# Allegro board BRD-05058-03_A1.brd (continued)
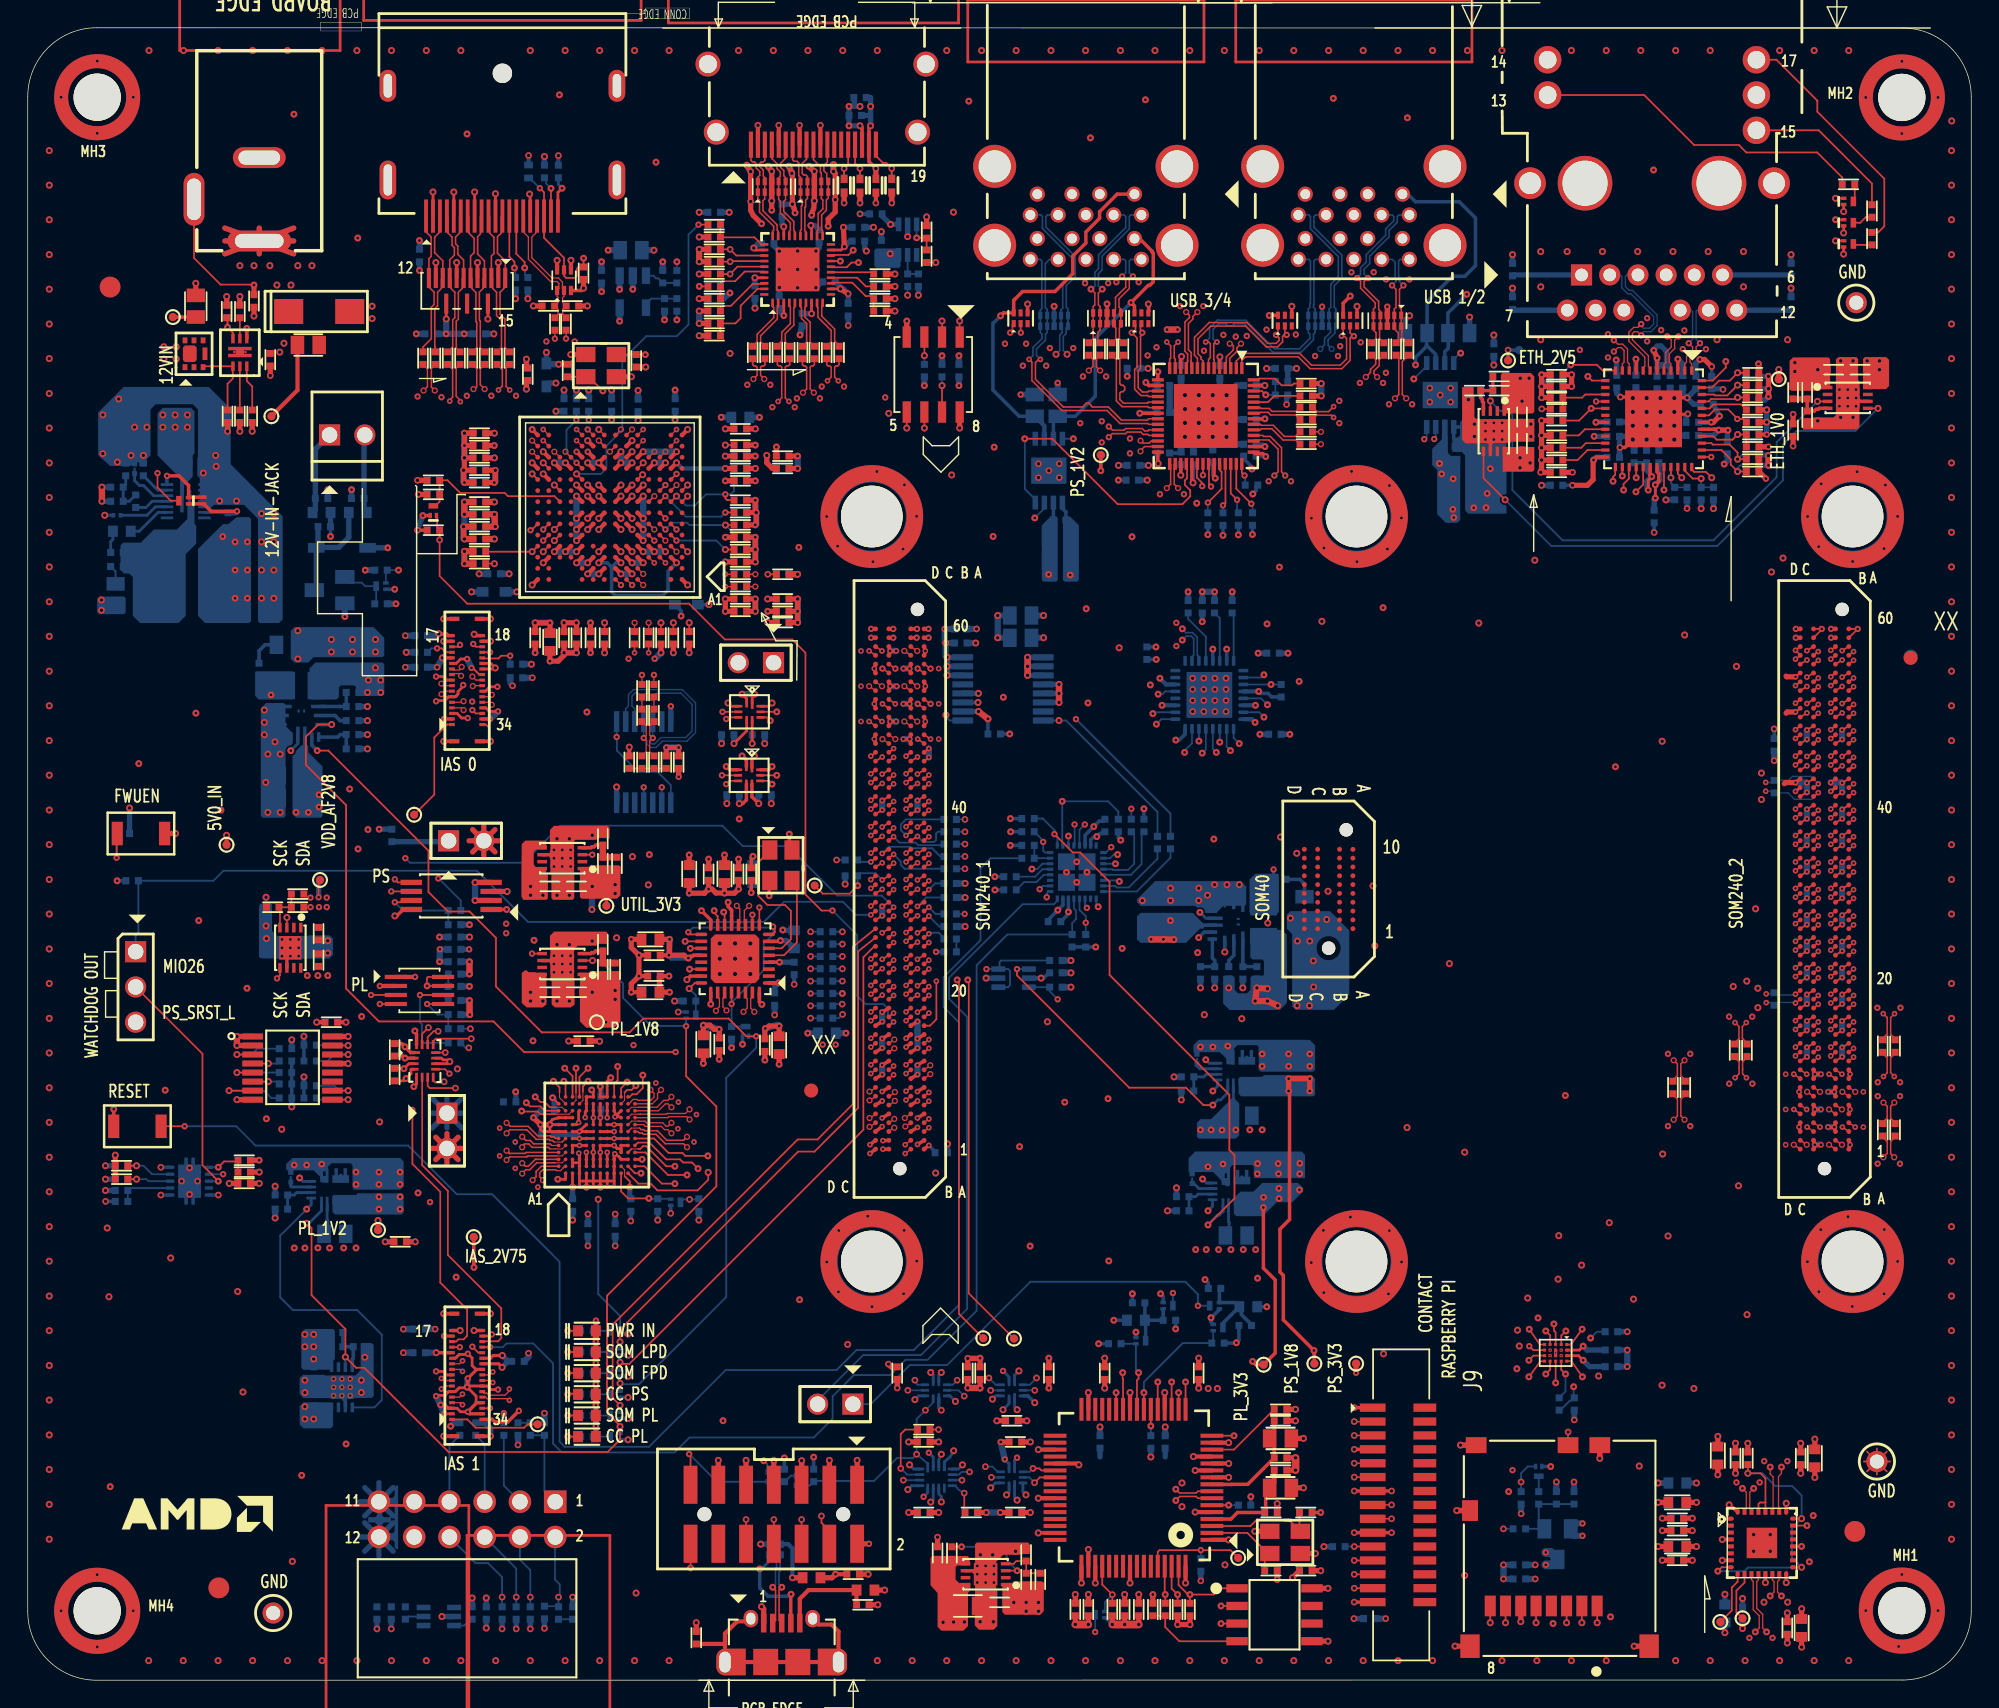
[diagram p0: board, top side]
## Routing (per net, layer and track width the routed paths; a pad name or vN(x,y) marks a point on that pad's centre or on a via; arc(x,y) is an arc through that point) (continued)
  TOP w0.225: U38.C2 v7(110.07,23.57) U38.C3 ; v2(119.59,91.19) 119.56,91.17 118.78,91.17 v10(118.61,91.34)
  TOP w0.229: J8.25 32.35,22.39 v1(31.7,21.73)
  TOP w0.254: JA1.D6 v3(61.55,41.72) ; U28.2 51.77,66.25 v5(51.46,66.56) ; JA1.B56 v9(63.52,72.85) ; v9(63.52,72.85) JA1.B55 ; v9(63.52,72.85) v9(63.08,72.85) ; J8.3 30.27,19.59 30.03,19.83 v5(29.74,19.83) ; U11.6 68.1,7.88 68.21,7.78 68.86,7.78 v9(69,7.63) ; JA1.A50 v9(64.66,69.04) JA1.A49 ; JA2.D7 v9(127.6,42.37) JA2.D8 ; U28.1 52.17,66.38 v5(52.35,66.56) ; JA1.D51 v9(60.98,70.31) JA1.D52 ; JA2.D3 v9(127.6,39.83) JA2.D4 ; JA1.B59 v1(64.03,75.07) ; v9(130.14,39.83) JA2.B3 ; v9(130.14,39.83) JA2.B4 ; v9(130.14,39.83) v9(129.69,39.83) ; X5.4 v6(91.06,98.94) ; v6(80.72,99.1) 80.72,98.92 80.75,98.89 80.75,98.57 80.72,98.54 X8.4 ; v2(114.7,88.77) 115.05,88.77 v10(115.62,89.34) ; JA1.B15 v3(64.09,47.43) ; v2(119.54,92.35) 118.63,92.35 v10(118.61,92.33) ; J8.G2 v6(29.97,26.4) ; JA1.C2 v3(61.6,38.86) ; C382.2 26.94,45.85 v5(27.17,45.61) 27.59,45.2 U72.1 ; JA1.D56 v9(60.98,72.85) JA1.D55 ; U61.5 v6(32.4,102.09) ; U67.8 U67.3 ; JA1.C53 v9(62.12,71.58) ; v9(62.12,71.58) JA1.C54 ; v9(62.12,71.58) 62.67,71.58 62.67,71.57 v9(62.59,71.57) ; MH7.1 v1(60.51,33.42) ; J7.G2 v6(29.97,76.43) ; J8.G4 v6(33.33,17.58) ; JA1.C8 v3(61.55,42.39) ; v9(62.12,69.04) JA1.C50 ; v9(62.12,69.04) JA1.C49 ; v9(62.12,69.04) v9(62.56,69.04) ; v9(128.73,38.56) v9(129.18,38.56) ; v9(128.73,38.56) JA2.C1 ; v9(128.73,38.56) JA2.C2 ; v9(128.73,43.64) JA2.C10 ; v9(128.73,43.64) JA2.C9 ; v9(128.73,43.64) v9(129.18,43.64) ; U68.3 U68.8 v5(77.75,99.11) ; v10(115.62,92.33) 115.55,92.41 v2(114.73,92.41) ; v9(63.52,67.77) JA1.B47 ; v9(63.52,67.77) JA1.B48 ; v9(63.52,67.77) v9(63.08,67.77) ; U24.47 v6(72.8,10.61) ; JA1.C1 v3(61.6,38.24) ; v9(128.73,41.1) v9(129.18,41.1) ; v9(128.73,41.1) JA2.C5 ; v9(128.73,41.1) JA2.C6 ; JA1.D12 v3(61.55,45.53) ; JA1.A2 v3(64.09,38.58) ; v5(53.41,56.49) 53.41,57.55 X3.2 ; JA1.B9 v3(64.09,43.62) ; 18.94,52.14 18.38,52.14 ; JA2.A1 v9(131.27,38.56) JA2.A2 ; v9(62.12,74.12) JA1.C58 ; v9(62.12,74.12) JA1.C57 ; v9(62.12,74.12) v9(62.56,74.12) ; JA1.A8 v3(64.09,42.39) ; JA1.D3 v3(61.54,39.87) ; JA2.A6 v9(131.27,41.1) JA2.A5 ; 95.29,33.33 v1(95.28,33.36) ; J8.G1 v6(29.97,17.58) ; JA1.A11 v3(64.09,44.3) ; U27.P14 v5(36.33,90.07) ; JA1.A58 v9(64.66,74.12) JA1.A57 ; v9(130.14,42.37) JA2.B7 ; v9(130.14,42.37) v9(129.69,42.37) ; v9(130.14,42.37) JA2.B8 ; X7.4 v6(72.02,99.1) ; U12.6 132,92.09 131.9,92.2 ; v2(95.56,10.63) J9.10 v2(98.25,10.63) ; JA1.A5 v3(64.09,40.49) ; JA1.D48 v9(60.98,67.77) JA1.D47 ; v6(40.04,100.24) 39.87,100.08 U62.3 ; v5(31.65,21.11) 31.7,21.15 v1(31.7,21.73) ; v5(54.86,60.93) 54.86,59.98 X3.4 ; JA1.B52 v9(63.52,70.31) ; v9(63.52,70.31) JA1.B51 ; v9(63.52,70.31) v9(63.08,70.31) ; v6(59.95,111.94) 60.1,111.79 J5.17 ; U61.2 v6(33.9,102.09) ; J8.31 32.35,19.99 v1(31.7,19.33) 31.84,19.19 J8.33 ; JA1.C17 v3(61.55,48.11) ; JA1.D59 v1(60.75,75.07) ; JA1.B6 v3(64.09,41.72) ; JA1.C14 v3(61.55,46.2) ; JA2.A10 v9(131.27,43.64) JA2.A9 ; JA1.C5 v3(61.55,40.49) ; U61.8 v6(30.9,102.09) ; U10.6 105.36,89.05 105.47,89.16 105.47,89.81 v9(105.61,89.95) ; JA1.D9 v3(61.55,43.62) ; JA1.B3 v3(64.09,39.81) ; J7.G4 v6(33.33,67.61) ; C104.2 v5(93.14,12.08) ; J7.G1 v6(29.97,67.61) ; J8.G3 v6(33.33,26.4) ; J9.4 v2(95.56,16.63) ; 28.01,46.56 U72.16 ; JA1.D15 v3(61.55,47.43) ; v9(38.5,51.58) 38.46,51.58 38.21,51.83 U9.6 ; v5(50.32,65.8) 50.55,65.57 U28.3 ; 52.17,59.28 52.12,59.23 C72.2 ; J7.33 v1(33.3,69.22) ; SW2.1 v5(6.19,41.12) ; v9(38.5,59.2) 38.36,59.34 37.72,59.34 37.61,59.45 U7.6 ; U61.11 v6(29.4,102.09) ; JA1.A53 v9(64.66,71.58) JA1.A54 ; JA1.B12 v3(64.09,45.53) ; J7.16 v6(29.97,74.82) ; U41.3 v5(15.78,97.35) ; J7.2 v1(29.99,69.22) ; v2(98.25,13.63) J9.7 v2(95.56,13.63) ; JA2.D43 v3(127.34,64.64) ; JA1.A14 v3(64.09,46.2) ; J7.G3 v6(33.33,76.43) ; U73.6 18.67,52.12 ; J7.19 v6(33.33,74.82) ; J9.1 v2(95.56,19.63) ; X6.4 v6(95.76,98.94) ; JA1.C11 v3(61.55,44.3)
  TOP w0.305: U27.B8 v6(41.13,79.67) ; C63.2 v5(44.03,52.21) ; J5.2 v2(52.6,111.98) ; U27.H8 v6(41.13,85.27) ; U24.35 v6(72.8,16.61) ; U27.L9 v6(40.33,87.67) ; U24.1 v6(86.51,10.11) ; U27.D4 v6(45.13,81.27) ; U27.M8 v6(41.13,87.67) U27.L8 ; U27.L6 v6(43.53,87.67) ; U27.D8 v6(41.13,81.27) ; U27.L7 v6(42.73,87.67) ; U27.J9 v6(40.33,86.07) ; U27.D12 v6(37.93,81.27) ; U27.D5 v6(44.33,81.27) ; U27.F8 v6(41.13,82.87) ; J5.8 v2(55.6,111.98) ; U24.13 v6(83.97,16.11) ; U27.L11 v6(38.73,87.67) ; U27.F7 v6(42.73,82.87) ; U27.B9 v6(40.33,79.67) ; U27.B7 v6(42.73,79.67) ; J5.5 v2(54.1,111.98) ; U27.J7 v6(42.73,86.07) ; U27.L3 v6(45.93,87.67) ; U27.G7 v6(42.73,83.67) ; U27.H7 v6(42.73,85.27) ; U27.J6 v6(43.53,86.07) ; U27.H6 v6(43.53,85.27) ; U27.A14 v6(36.33,78.87) ; U24.10 v6(86.51,14.61) ; U27.M7 v6(42.73,88.47) ; J5.11 v2(57.1,111.98) ; U49.2 v2(61.09,106.38) ; C69.2 v5(43.48,49.54) ; U27.G9 v6(40.33,83.67) ; U27.B6 v6(43.53,79.67) ; R171.2 v6(43.33,67.19) ; U24.51 v6(76.9,7) ; U24.5 v6(84.1,12.11) ; U27.D10 v6(39.53,81.27) ; U27.P1 v6(47.53,90.07) ; U27.J8 v6(41.13,86.07) ; C70.2 v5(44.03,50.71) ; U16.1 v1(27.9,50.65) ; U24.11 v6(84.1,15.11) ; U24.15 v6(86.51,17.11) ; U27.G6 v6(43.53,83.67) ; U27.H9 v6(40.33,85.27) ; U24.25 v6(79.4,20.71) ; U27.D7 v6(42.73,81.27) ; U27.A1 v6(47.53,78.87) ; U27.F6 v6(43.53,82.87) ; U27.G8 v6(41.13,83.67) ; C74.2 v6(22.92,47.39) ; U27.L12 v6(37.93,87.67) ; U27.D11 v6(38.73,81.27) ; U27.F9 v6(40.33,82.87) ; U27.L4 v6(45.13,87.67)
  TOP w0.381: C60.2 v5(47.65,59.43) ; J3.1 v6(59.74,15.83) ; R73.2 v6(48.16,4.14) ; v5(53.34,109.03) v2(53.59,108.66) U50.8 U50.3 v6(53.59,106.54) v5(53.59,105.86) ; R89.2 v6(62.47,101.27) ; C59.2 v5(49.05,59.13) ; C128.2 v6(27.91,31.57) ; X4.4 v6(39.12,95.47) ; v3(127.34,64.64) 126.62,64.64 126.54,64.56 ; C83.2 v6(91.33,15.13) ; v6(31.45,82.18) 31.39,82.25 v2(31.39,83.07) ; J3.9 v6(51.74,15.83) ; R262.2 v6(78.13,4.01) ; C164.2 v2(127.17,91.17) ; v5(125.4,92.44) v6(125.4,93.01) v6(125.4,93.9) ; C55.2 v5(53.1,44.66) ; R241.2 v6(69.05,12.08) ; R199.2 v6(40.04,100.24) ; R50.2 v5(16.67,37.45) ; C85.2 v6(91.33,18.68) ; v5(31.46,86.25) 31.39,86.31 v2(31.39,87.14) ; C245.2 v5(52.41,82.31) 52.41,81.43 v6(52.41,81.42) ; J3.5 55.74,15.57 55.75,15.57 v6(55.75,15.81) ; v5(31.46,88.91) 31.45,88.91 v6(31.45,88.03) ; v5(31.46,88.91) C338.2 ; v5(31.46,88.91) 31.45,88.92 v6(31.45,89.8) C258.2 ; C94.2 v6(91.11,7.38) ; v6(41.19,46.01) 41.19,46.03 C127.2 ; 126.67,72.31 126.71,72.26 v3(127.34,72.26) ; J11.6 v6(107.55,4.22) ; v5(58.04,109.16) v2(58.04,108.65) 58.17,108.52 v2(58.17,106.62) 58.17,105.73 57.66,105.22 v5(57.66,104.71) ; v6(6.3,37.81) C52.2 R51.2 ; C195.2 v6(121.75,17.56) ; R116.2 v2(125.4,88.82) ; v6(38.63,73.99) 38.63,73.81 38.21,73.39 v5(37.62,73.39) C248.2 ; v6(38.63,73.99) v6(39.52,73.99) C255.2 ; v6(38.63,73.99) C106.2 ; v5(56.26,109.03) 56.64,108.66 v2(56.66,108.66) U51.8 U51.3 v6(56.66,106.54) 56.62,106 56.52,105.73 v5(56.47,105.5) ; C58.2 v5(48.66,44.42) ; R221.2 v6(93.18,93.38) ; C80.2 v6(63.46,17.16) ; U18.1 v6(15.07,46.36) ; C234.2 v6(14.39,89.94) ; v6(31.45,88.03) 31.45,87.2 v2(31.39,87.14) ; v6(31.45,88.03) C251.2 ; L5.1 v6(61.73,6.49) ; C93.2 v5(73.56,23.19) ; C90.2 v2(62.63,21.04) ; C244.2 v5(52.41,88.15) ; C190.2 v6(123.02,17.06) ; C342.2 v6(52.41,76.98) v6(52.41,77.87) C254.2 ; C247.2 v5(55.46,76.98) ; v5(55.46,76.98) 55.46,76.17 v6(55.46,76.17) C240.2 ; v5(55.46,76.98) 55.46,76.98 v6(55.46,77.87) C331.2 ; SW1.1 v6(10.64,60.97) ; v6(109.05,93.17) v5(109.05,94.01) C146.2 ; v6(109.05,93.17) v6(109.05,92.36) C173.2 ; v6(109.05,93.17) C145.2 ; C189.2 v6(127.79,2.38) ; v2(31.39,87.14) C330.2 ; R188.2 v6(48.37,97.71) ; U67.3 v1(97.94,98.92) ; R189.2 v6(48.37,98.6) ; MH1.1 134.78,2.41 v1(134.77,2.43) ; C199.2 v6(117.45,9.63) ; C246.2 v6(52.41,80.53) v6(52.41,81.42) ; C239.2 v2(28.07,86.41) ; C206.2 v6(16.17,89.94) ; C326.2 v6(72.22,17.16) ; C81.2 v6(65.62,12.08) ; C89.2 v2(65.54,10.3) ; C100.2 v6(79.02,4.01) ; J3.3 v6(57.74,15.83) ; v5(54.84,109.03) v2(55.04,108.52) 55.08,108.56 v6(55.08,106.29) 55.2,106 v5(55.27,105.67) ; C197.2 v6(117.45,12.81) ; v5(52.86,104.89) 52.27,105.48 52.07,105.85 v2(52.07,106.49) v2(52.07,108.65) v5(51.79,109.1) ; R240.2 v6(123.91,17.06) ; C107.2 v6(52.41,90.11) ; J11.9 v6(115.72,2.45) ; X2.4 v6(88.39,10.73) ; U18.8 v6(15.07,41.81) ; U52.2 v2(62.24,106.38) ; C97.2 v6(80.03,4.01) ; C62.2 v5(43.48,53.35) 43.48,52.76 v5(44.03,52.21) v5(44.03,50.71) 43.48,50.15 v5(43.48,49.54) ; C91.2 v2(67.71,21.04) ; R222.2 v6(93.18,92.49) ; C203.2 v6(12.1,100.6) ; C103.2 v6(90.01,7.25) ; R176.2 v5(52.41,88.95) ; R187.2 v6(48.37,103.93) ; C102.2 v6(77.58,23.19) ; v6(52.41,81.42) R151.2 ; U15.3 v6(34.53,56.8) ; X2.2 v6(92.76,9.13) ; R206.2 v6(36.42,98.97) ; J11.10 v6(102.82,2.45) ; C57.2 v5(49.81,44.72) ; C242.2 v5(52.41,86.37) ; v3(127.34,69.72) 126.75,69.72 126.67,69.64 ; R155.2 v6(47.65,73.99) ; C325.2 v6(70.06,12.08) ; C110.2 v1(46.89,65.06) ; C84.2 v6(91.33,16.02) ; C192.2 v6(127.72,17.06) ; C92.2 v5(68.6,21.04) ; C95.2 v6(75.46,4.01) ; U55.2 v2(58.81,106.38) ; R174.2 v6(45.62,73.99) ; C61.2 v5(51.2,59.13) ; C198.2 v6(117.75,8.64) ; C99.2 v6(76.4,4.01) ; C235.2 v6(14.33,99.65) ; C158.2 v2(111.28,86.99) ; C193.2 v6(128.73,17.36) ; C105.2 v6(84.35,23.19) ; C54.2 v5(50.19,59.43) ; R135.2 v6(15.28,99.65) ; U58.2 v2(59.95,106.38) ; C194.2 v6(126.75,2.68) ; C343.2 v5(55.46,88.15) ; C87.2 v6(60.54,7.63) ; C56.2 v5(54.13,44.36) ; C207.2 v6(16.3,98.24) ; C200.2 v6(117.75,10.77) ; C205.2 v2(17.47,93.95) ; U26.5 v6(93.67,2.81) ; v6(35.92,95.13) 35.92,94.59 C340.2 ; X4.2 v6(43.48,93.87) ; U15.4 v6(32.22,57.45) ; R190.2 v6(62.47,99.49) ; C249.2 v5(40.54,76.15) ; R194.2 v6(48.37,101.27) ; U31.4 v5(63.32,97.88) ; C332.2 v6(55.46,87.26) ; C202.2 v6(117.75,11.66) ; J3.11 v6(49.74,15.83) ; J3.7 v6(53.74,15.83) ; U18.2 v6(15.07,45.71) ; U15.2 v6(32.22,56.15) ; C101.2 v6(69.81,18.68) ; C82.2 v6(90.01,12.72) ; C241.2 v5(36.55,73.99) ; C50.2 v6(14.51,35.78)
  TOP w0.406: J11.14 v6(113.24,15.97) ; J11.11 v6(102.94,12.22) ; J11.12 v6(103.21,16.93)
  TOP w0.457: v5(68.6,21.04) 68.6,21.04 v2(67.71,21.04) ; C334.2 v5(31.46,86.25) ; C335.2 v6(31.45,83.96) v6(31.45,84.85) C341.2 ; C337.2 v6(31.45,82.18) ; v6(125.4,88.18) v5(125.4,87.49) ; C333.2 v2(31.39,83.07) ; v6(74.29,70.41) v6(74.29,71.06) v6(74.29,71.71) ; v1(82.83,97.26) v1(82.07,97.26) ; v6(15.07,46.36) v6(15.07,45.71) ; C260.2 v6(55.46,79.64)
  TOP w0.559: v6(80.03,4.01) v6(79.02,4.01) v6(78.13,4.01) ; v6(75.46,4.01) v6(76.4,4.01) ; v6(91.33,16.02) v6(91.33,15.13)
  L02_GND w0.127: J15.1 18.48,5.65 ; J15.1 16.87,5.65 ; J15.1 16.87,4.04 ; J15.1 18.48,4.04 ; 132.4,16.55 J16.1 ; J16.1 132.4,14.94 ; J16.1 134.01,14.94 ; J16.1 134.01,16.55 ; J17.1 132.53,100.01 ; J17.1 132.53,98.4 ; J17.1 130.92,98.4 ; J17.1 130.92,100.01
  L02_GND w0.203: 110.07,24.38 v7(110.07,23.57) 110.07,22.96
  L02_GND w0.381: 14.09,111.08 J12.2 ; J12.2 19.26,111.08 ; J12.2 19.26,108.21 ; J12.2 14.09,108.21 ; U46.22 84.43,107.39 ; U46.22 81.16,110.65 ; U46.22 84.43,110.65 ; U46.22 81.16,107.39 ; 100.47,107.39 U44.22 ; U44.22 103.73,110.65 ; U44.22 103.73,107.39 ; U44.22 100.47,110.65 ; J6.21 43.35,106.33 ; J6.21 41.54,109.74 ; J6.21 43.35,109.74 ; J6.21 41.54,106.33 ; 68.02,107.39 U46.19 ; U46.19 68.02,110.65 ; U46.19 71.29,107.39 ; U46.19 71.29,110.65 ; J6.24 26.85,109.74 ; J6.24 25.04,106.33 ; J6.24 25.04,109.74 ; J6.24 26.85,106.33 ; 50.29,74.17 J20.2 ; J20.2 50.29,72.38 ; J20.2 52.08,74.17 ; J20.2 52.08,72.38 ; J10.SH1 109.56,109.15 ; J10.SH1 106.88,109.15 ; J10.SH1 106.88,106.46 ; J10.SH1 109.56,106.46 ; 48.43,110.31 J5.20 ; J5.20 48.43,112.65 ; J5.20 50.77,112.65 ; J5.20 50.77,110.31 ; J6.22 43.73,116.66 ; J6.22 43.73,112.98 ; J6.22 41.16,112.98 ; J6.22 41.16,116.66 ; 63.53,117.55 J5.22 ; J5.22 65.87,115.21 ; J5.22 63.53,115.21 ; J5.22 65.87,117.55 ; 24.66,116.66 J6.23 ; J6.23 24.66,112.98 ; J6.23 27.23,112.98 ; J6.23 27.23,116.66 ; 87.33,110.65 U44.19 ; U44.19 90.59,107.39 ; U44.19 90.59,110.65 ; U44.19 87.33,107.39 ; J5.21 50.17,115.21 ; J5.21 50.17,117.55 ; J5.21 47.83,115.21 ; J5.21 47.83,117.55 ; J5.23 65.27,112.65 ; J5.23 62.93,112.65 ; J5.23 62.93,110.31 ; J5.23 65.27,110.31 ; U46.4 73.65,106.09 ; U46.4 73.65,107.94 ; U46.4 71.8,107.94 ; J10.SH2 127.14,109.15 ; J10.SH2 124.45,109.15 ; J10.SH2 124.45,106.46 ; J10.SH2 127.14,106.46
  L03_SIG w0.127: J17.1 132.57,98.36 ; J17.1 132.57,100.05 ; J17.1 130.88,98.36 ; J15.1 18.52,5.69 ; J15.1 16.83,5.69 ; J15.1 18.52,4 ; J15.1 16.83,4
  L03_SIG w0.254: 59,24.5 59,24.25 arc(59.02,24.2) v6(59.06,24.18) ; 75.56,101.47 U46.16 77.16,102.92 ; v5(86.37,74.26) 86.37,75.2
  L03_SIG w0.381: 48.49,112.59 J5.20 ; J5.20 50.7,112.59 ; J5.20 48.49,110.38 ; U44.22 103.66,107.46 ; U44.22 100.53,107.46 ; U44.22 100.53,110.58 ; U44.22 103.66,110.58 ; U46.21 84.36,101.78 ; U46.21 81.23,101.78 ; U46.21 81.23,104.9 ; U46.21 84.36,104.9 ; J10.SH1 109.5,106.53 ; J10.SH1 106.94,106.53 ; J10.SH1 109.5,109.08 ; J10.SH1 106.94,109.08 ; 14.21,110.97 J12.2 ; J12.2 14.21,108.32 ; J12.2 19.15,110.97 ; J12.2 19.15,108.32 ; U44.19 90.52,110.58 ; U44.19 90.52,107.46 ; U44.19 87.39,107.46 ; U44.19 87.39,110.58 ; U44.20 90.52,101.78 ; U44.20 87.39,104.9 ; U44.20 87.39,101.78 ; U44.20 90.52,104.9 ; 76.22,101.43 U46.16 76.92,101.62 ; 26.79,11.81 J2.9 28.88,11.81 ; 24.77,116.54 J6.23 ; J6.23 24.77,113.1 ; J6.23 27.11,116.54 ; J6.23 27.11,113.1 ; 124.52,109.08 J10.SH2 ; J10.SH2 127.07,109.08 ; J10.SH2 124.52,106.53 ; J10.SH2 127.07,106.53 ; J2.10 28.88,9.27 ; J2.10 28.88,11.36 ; J2.10 26.79,9.27 ; J2.10 26.79,11.36 ; J5.21 50.1,115.28 ; J5.21 47.89,117.49 ; J5.21 50.1,117.49 ; J5.21 47.89,115.28 ; 100.53,104.9 U44.21 ; U44.21 100.53,101.78 ; U44.21 103.66,104.9 ; U44.21 103.66,101.78 ; U44.13 92.72,103.12 ; U44.13 91.33,103.12 ; U44.13 91.33,104.51 ; U44.13 92.72,104.51 ; v6(54.14,100.29) 54.14,99.99 54.41,99.72 ; 85.77,49.96 85.67,49.86 v6(85.51,49.86) ; 63.59,115.28 J5.22 ; J5.22 65.8,117.49 ; J5.22 65.8,115.28 ; J5.22 63.59,117.49 ; J5.23 65.2,112.59 ; J5.23 65.2,110.38 ; J5.23 62.99,112.59 ; 41.27,116.54 J6.22 ; J6.22 43.61,113.1 ; J6.22 43.61,116.54 ; J6.22 41.27,113.1 ; 68.09,101.78 U46.20 ; U46.20 71.22,104.9 ; U46.20 68.09,104.9 ; U46.22 84.36,107.46 ; U46.22 81.23,110.58 ; U46.22 81.23,107.46 ; U46.22 84.36,110.58 ; U44.4 92.88,107.88 ; U44.4 92.88,106.16 ; U44.4 91.17,107.88 ; 41.5,106.3 J6.21 ; J6.21 43.38,106.3 ; J6.21 41.5,109.78 ; J6.21 43.38,109.78 ; 94.83,103.01 U44.16 ; U44.16 96.22,103.01 ; U44.16 96.22,101.62 ; U44.16 94.83,101.62 ; 89.33,44.62 88.92,44.22 v5(88.92,44.21) ; 25,106.3 J6.24 ; J6.24 25,109.78 ; J6.24 26.88,106.3 ; J6.24 26.88,109.78 ; U46.19 71.22,110.58 ; U46.19 68.09,110.58 ; U46.19 71.22,107.46 ; U46.19 68.09,107.46 ; 96.22,104.82 U44.7 94.83,104.82 ; v6(55.46,100.27) 55.46,99.76 ; 72.72,108.14 U46.4 71.87,107.88
  L03_SIG w0.457: 138.81,45.54 v6(138.58,45.17) 139.01,45.11 ; v5(20.09,37.1) 20.47,36.8 ; v2(72.81,87.6) 72.31,87.42 ; v6(8.33,88.2) 8.08,88.49 ; v6(33.33,26.4) 33.76,26.52 ; v6(123.59,102.88) 123.24,103.04 ; 14.58,45.49 14.78,45.72 v6(15.07,45.71) v6(15.07,46.36) ; 82.6,75.1 82.6,74.67 v1(82.74,74.48) ; v6(49.74,15.83) 48.94,15.79 ; v2(90.69,91.87) 90.68,91.39 ; v5(21.17,37.16) 21.21,36.75 ; 22.35,31.11 v5(22.76,31.13) v5(23.65,31.13) ; v6(31.45,88.03) 31.12,88.08 ; v3(130.7,55.09) 131.24,55.57 ; v6(24.47,70.12) 23.93,70.05 ; v6(19.96,21.6) 20.52,21.56 ; v5(50.08,18.69) 49.76,19 ; v6(19.96,20.72) 20.57,20.7 ; v2(35.31,16.94) 35.28,17.47 ; v5(22.93,17.01) 23.32,17.5 ; v6(15.5,20.75) 15.11,20.78 ; v1(82.83,97.26) v1(82.07,97.26) 81.61,97.13 ; v5(24.51,61.26) 24.05,61.24 ; v6(24.47,68.1) 23.85,68.05 ; v2(125.81,66.22) 126.21,66.78 ; 13.06,87.68 13.08,87.68 ; v1(84.73,95.74) 84.48,95.3 ; v1(134.91,48.43) 135.66,47.65 ; 130.48,58.9 v3(130.7,58.9) v3(130.71,58.23) ; v6(85.49,57.29) 85.95,57.32 ; v2(101,93.05) 101.37,93.24 ; v5(19.73,14.75) 19.48,14.48 ; v1(33.42,24.91) 33.81,25.07 ; v5(15.78,97.35) 16.13,96.93 ; v3(127.34,64.64) 127.56,64.79 ; v6(22.92,47.39) 22.65,47.8 ; v2(101,92.05) 101.42,91.74 ; v3(130.7,57) 131.17,57.43 ; 85.77,49.96 v6(85.51,49.86) ; v5(79.2,93.9) 79.55,93.77 ; v5(26.43,78.56) 25.83,78.54 ; v6(59.06,24.18) 58.75,24.46
  L04_GND w0.127: J16.1 134.01,16.55 ; J16.1 134.01,14.94 ; J16.1 132.4,14.94 ; J16.1 132.4,16.55 ; 130.92,98.4 J17.1 ; J17.1 130.92,100.01 ; J17.1 132.53,100.01 ; J17.1 132.53,98.4 ; J15.1 18.48,5.65 ; J15.1 16.87,4.04 ; J15.1 18.48,4.04 ; J15.1 16.87,5.65
  L04_GND w0.381: U44.19 90.59,110.65 ; U44.19 87.33,107.39 ; U44.19 90.59,107.39 ; U44.19 87.33,110.65 ; J10.SH2 127.14,109.15 ; J10.SH2 124.45,109.15 ; J10.SH2 124.45,106.46 ; J10.SH2 127.14,106.46 ; J5.20 50.77,110.31 ; J5.20 50.77,112.65 ; J5.20 48.43,110.31 ; J5.20 48.43,112.65 ; 63.53,115.21 J5.22 ; J5.22 65.87,117.55 ; J5.22 65.87,115.21 ; J5.22 63.53,117.55 ; 47.83,117.55 J5.21 ; J5.21 50.17,115.21 ; J5.21 47.83,115.21 ; J5.21 50.17,117.55 ; J12.2 19.26,108.21 ; J12.2 19.26,111.08 ; J12.2 14.09,108.21 ; J12.2 14.09,111.08 ; U46.19 71.29,107.39 ; U46.19 68.02,107.39 ; U46.19 71.29,110.65 ; U46.19 68.02,110.65 ; J10.SH1 109.56,109.15 ; J10.SH1 109.56,106.46 ; J10.SH1 106.88,106.46 ; J10.SH1 106.88,109.15 ; 50.29,74.17 J20.2 ; J20.2 52.08,74.17 ; J20.2 50.29,72.38 ; J20.2 52.08,72.38 ; 41.54,109.74 J6.21 ; J6.21 41.54,106.33 ; J6.21 43.35,109.74 ; J6.21 43.35,106.33 ; U44.22 103.73,107.39 ; U44.22 100.47,110.65 ; U44.22 103.73,110.65 ; U44.22 100.47,107.39 ; 81.16,107.39 U46.22 ; U46.22 84.43,107.39 ; U46.22 81.16,110.65 ; U46.22 84.43,110.65 ; J5.23 65.27,110.31 ; J5.23 62.93,112.65 ; J5.23 62.93,110.31 ; J5.23 65.27,112.65 ; J6.24 26.85,106.33 ; J6.24 25.04,109.74 ; J6.24 26.85,109.74 ; J6.24 25.04,106.33 ; 71.8,107.94 U46.4 ; U46.4 73.65,106.09 ; U46.4 73.65,107.94 ; 41.16,112.98 J6.22 ; J6.22 43.73,116.66 ; J6.22 41.16,116.66 ; J6.22 43.73,112.98 ; J6.23 27.23,116.66 ; J6.23 24.66,116.66 ; J6.23 27.23,112.98 ; J6.23 24.66,112.98
  L05_SIG w0.127: 131.01,99.92 J17.1 ; J17.1 132.44,99.92 ; J17.1 132.44,98.49 ; J17.1 131.01,98.49
  L05_SIG w0.203: v3(128.98,71.54) 129.4,71.62
  L05_SIG w0.381: 100.56,110.56 U44.22 ; U44.22 103.64,110.56 ; U44.22 103.64,107.48 ; 71.89,107.85 U46.4 ; U46.4 73.56,106.18 ; U46.4 73.56,107.85 ; 41.28,113.11 J6.22 ; J6.22 43.6,116.53 ; J6.22 43.6,113.11 ; J6.22 41.28,116.53 ; 88.96,111.13 U44.19 87.42,110.56 ; 14.22,108.34 J12.2 ; J12.2 14.22,110.96 ; J12.2 19.14,108.34 ; J12.2 19.14,110.96 ; U46.22 84.34,110.56 ; U46.22 81.25,110.56 ; U46.22 81.25,107.48 ; U46.22 84.34,107.48 ; J6.24 26.72,106.46 ; J6.24 25.16,109.62 ; J6.24 26.72,109.62 ; J6.24 25.16,106.46 ; 106.97,106.55 J10.SH1 ; J10.SH1 106.97,109.06 ; J10.SH1 109.47,109.06 ; J10.SH1 109.47,106.55 ; 41.66,106.46 J6.21 ; J6.21 43.22,106.46 ; J6.21 43.22,109.62 ; J6.21 41.66,109.62 ; J10.SH2 127.05,109.06 ; J10.SH2 124.54,106.55 ; J10.SH2 124.54,109.06 ; J10.SH2 127.05,106.55 ; J6.23 27.1,113.11 ; J6.23 24.78,116.53 ; J6.23 24.78,113.11 ; J6.23 27.1,116.53 ; 76.79,106.08 U46.7 75.66,106.08 ; 68.11,110.56 U46.19 ; U46.19 71.2,107.48 ; U46.19 68.11,107.48 ; U46.19 71.2,110.56
  L05_SIG w0.457: 54.08,99.82 v6(54.14,100.29) v6(55.46,100.27) ; v6(55.46,77.87) 56.01,77.8 ; v6(55.46,77.87) 55.7,77.38 v5(55.46,76.98) ; v6(55.46,77.87) 55.66,78.15 55.66,79.15 v6(55.46,79.64) ; v6(55.46,100.27) v6(56.78,100.28) 56.69,99.8 ; v6(55.46,100.27) 55.52,99.9 55.47,99.52 ; v6(55.46,79.64) 55.61,80 55.61,81.02 v5(55.55,81.58) 56.06,81.53 ; v6(55.46,79.64) 55.98,79.58 ; v5(55.46,76.98) 55.98,76.83 ; v5(55.46,76.98) 55.79,76.5 v6(55.46,76.17) 56.16,76.1 ; v6(111.93,29.89) 111.91,30.66 ; v5(76.37,70.38) 76,71.04 ; v5(55.46,88.15) 55.96,88.16 ; v6(55.46,87.26) 56.06,87.22 ; v6(125.4,88.18) v2(125.4,88.82) 125.86,88.58 ; v1(51.84,93.29) 51.84,93.83
  L06_GND w0.127: 132.4,14.94 J16.1 ; J16.1 132.4,16.55 ; J16.1 134.01,14.94 ; J16.1 134.01,16.55 ; J15.1 18.48,4.04 ; J15.1 18.48,5.65 ; J15.1 16.87,5.65 ; J15.1 16.87,4.04 ; J17.1 132.53,100.01 ; J17.1 130.92,98.4 ; J17.1 130.92,100.01 ; J17.1 132.53,98.4
  L06_GND w0.381: J5.21 50.17,115.21 ; J5.21 50.17,117.55 ; J5.21 47.83,115.21 ; J5.21 47.83,117.55 ; 106.88,106.46 J10.SH1 ; J10.SH1 109.56,106.46 ; J10.SH1 109.56,109.15 ; J10.SH1 106.88,109.15 ; J6.23 27.23,116.66 ; J6.23 24.66,116.66 ; J6.23 27.23,112.98 ; J6.23 24.66,112.98 ; 71.8,107.94 U46.4 ; U46.4 73.65,106.09 ; U46.4 73.65,107.94 ; U46.22 84.43,110.65 ; U46.22 84.43,107.39 ; U46.22 81.16,110.65 ; U46.22 81.16,107.39 ; 124.45,106.46 J10.SH2 ; J10.SH2 127.14,109.15 ; J10.SH2 124.45,109.15 ; J10.SH2 127.14,106.46 ; U44.19 90.59,107.39 ; U44.19 87.33,110.65 ; U44.19 90.59,110.65 ; U44.19 87.33,107.39 ; 41.54,106.33 J6.21 ; J6.21 43.35,109.74 ; J6.21 41.54,109.74 ; J6.21 43.35,106.33 ; 50.29,72.38 J20.2 ; J20.2 50.29,74.17 ; J20.2 52.08,74.17 ; J20.2 52.08,72.38 ; 75.48,104.77 U46.7 ; U46.7 76.97,104.77 ; U46.7 75.48,106.26 ; U46.7 76.97,106.26 ; J12.2 19.26,111.08 ; J12.2 14.09,111.08 ; J12.2 19.26,108.21 ; J12.2 14.09,108.21 ; J5.22 65.87,117.55 ; J5.22 63.53,115.21 ; J5.22 63.53,117.55 ; J5.22 65.87,115.21 ; J6.24 26.85,109.74 ; J6.24 26.85,106.33 ; J6.24 25.04,106.33 ; J6.24 25.04,109.74 ; 100.47,107.39 U44.22 ; U44.22 103.73,110.65 ; U44.22 100.47,110.65 ; U44.22 103.73,107.39 ; 62.93,112.65 J5.23 ; J5.23 62.93,110.31 ; J5.23 65.27,110.31 ; J5.23 65.27,112.65 ; J5.20 50.77,110.31 ; J5.20 50.77,112.65 ; J5.20 48.43,110.31 ; J5.20 48.43,112.65 ; 71.98,104.56 U46.13 ; U46.13 73.47,104.56 ; U46.13 71.98,103.07 ; U46.13 73.47,103.07 ; J6.22 43.73,112.98 ; J6.22 43.73,116.66 ; J6.22 41.16,116.66 ; J6.22 41.16,112.98 ; U46.19 71.29,110.65 ; U46.19 68.02,107.39 ; U46.19 68.02,110.65 ; U46.19 71.29,107.39
  L07_PWR w0.127: J15.1 18.74,4.84 ; J15.1 16.87,5.65 ; J15.1 17.68,5.91 ; J15.1 16.61,4.84 ; J15.1 18.48,5.65 ; J15.1 18.48,4.04 ; J15.1 17.68,3.77 ; J15.1 16.87,4.04
  L07_PWR w0.381: J12.2 19.26,111.08 ; J12.2 14.09,109.65 ; J12.2 19.26,108.21 ; J12.2 14.09,111.08 ; J12.2 19.26,109.65 ; J12.2 14.09,108.21 ; J12.2 16.68,108.21 ; J12.2 16.68,111.08 ; J6.23 27.23,116.66 ; J6.23 27.23,114.82 ; J6.23 24.66,116.66 ; J6.23 25.94,112.98 ; J6.23 24.66,114.82 ; J6.23 25.94,116.66 ; J6.23 24.66,112.98 ; J6.23 27.23,112.98 ; J6.24 25.94,109.74 ; J6.24 26.85,109.74 ; J6.24 25.94,106.33 ; J6.24 25.04,108.04 ; J6.24 25.04,109.74 ; J6.24 26.85,106.33 ; J6.24 26.85,108.04 ; J6.24 25.04,106.33
  L07_PWR w0.457: v6(43.25,20.36) 43.28,19.86
  L08_PWR w0.127: 17.68,3.77 J15.1 ; J15.1 16.61,4.84 ; J15.1 18.48,4.04 ; J15.1 17.68,5.91 ; J15.1 16.87,5.65 ; J15.1 18.74,4.84 ; J15.1 16.87,4.04 ; J15.1 18.48,5.65
  L09_GND w0.127: 132.4,14.94 J16.1 ; J16.1 132.4,16.55 ; J16.1 134.01,16.55 ; J16.1 134.01,14.94 ; 16.87,5.65 J15.1 ; J15.1 16.87,4.04 ; J15.1 18.48,4.04 ; J15.1 18.48,5.65 ; 130.92,98.4 J17.1 ; J17.1 132.53,98.4 ; J17.1 132.53,100.01 ; J17.1 130.92,100.01 ; 60.51,87.2 60.67,87.04 v1(61.16,87.04)
  L09_GND w0.381: 75.48,103.06 U46.16 ; U46.16 76.97,103.06 ; U46.16 76.97,101.57 ; U46.16 75.48,101.57 ; 75.48,106.26 U46.7 ; U46.7 76.97,104.77 ; U46.7 75.48,104.77 ; U46.7 76.97,106.26 ; 14.09,111.08 J12.2 ; J12.2 19.26,111.08 ; J12.2 14.09,108.21 ; J12.2 19.26,108.21 ; U46.13 73.47,103.07 ; U46.13 73.47,104.56 ; U46.13 71.98,104.56 ; U46.13 71.98,103.07 ; 50.29,74.17 J20.2 ; J20.2 50.29,72.38 ; J20.2 52.08,72.38 ; J20.2 52.08,74.17 ; 68.02,110.65 U46.19 ; U46.19 71.29,107.39 ; U46.19 71.29,110.65 ; U46.19 68.02,107.39 ; J5.20 50.77,110.31 ; J5.20 50.77,112.65 ; J5.20 48.43,110.31 ; J5.20 48.43,112.65 ; 106.88,109.15 J10.SH1 ; J10.SH1 109.56,109.15 ; J10.SH1 106.88,106.46 ; J10.SH1 109.56,106.46 ; 81.16,110.65 U46.22 ; U46.22 84.43,110.65 ; U46.22 84.43,107.39 ; U46.22 81.16,107.39 ; J5.23 65.27,110.31 ; J5.23 62.93,110.31 ; J5.23 62.93,112.65 ; J5.23 65.27,112.65 ; J6.23 27.23,116.66 ; J6.23 27.23,112.98 ; J6.23 24.66,116.66 ; J6.23 24.66,112.98 ; 124.45,106.46 J10.SH2 ; J10.SH2 127.14,106.46 ; J10.SH2 127.14,109.15 ; J10.SH2 124.45,109.15 ; 41.16,116.66 J6.22 ; J6.22 41.16,112.98 ; J6.22 43.73,112.98 ; J6.22 43.73,116.66 ; U44.19 90.59,107.39 ; U44.19 90.59,110.65 ; U44.19 87.33,107.39 ; U44.19 87.33,110.65 ; 47.83,115.21 J5.21 ; J5.21 47.83,117.55 ; J5.21 50.17,117.55 ; J5.21 50.17,115.21 ; J5.22 65.87,117.55 ; J5.22 65.87,115.21 ; J5.22 63.53,115.21 ; J5.22 63.53,117.55 ; 100.47,110.65 U44.22 ; U44.22 103.73,107.39 ; U44.22 103.73,110.65 ; U44.22 100.47,107.39 ; J6.24 26.85,106.33 ; J6.24 25.04,109.74 ; J6.24 25.04,106.33 ; J6.24 26.85,109.74 ; J6.21 43.35,106.33 ; J6.21 41.54,106.33 ; J6.21 43.35,109.74 ; J6.21 41.54,109.74 ; 71.8,107.94 U46.4 ; U46.4 73.65,107.94 ; U46.4 73.65,106.09
  L10_SIG w0.381: 73.38,103.16 U46.13 72.72,102.96 ; 69.65,101.23 U46.20 ; U46.20 68.11,101.8 ; U46.20 71.2,101.8 ; 75.86,101.47 U46.16 75.57,101.66
  L10_SIG w0.457: v5(79.55,82.34) 78.53,83.1 ; v6(62.02,91.23) 62.56,91.23 ; v10(84.36,89.54) v10(84.36,90.54) v10(84.36,91.54) ; v1(81.56,85.41) 81.33,85.7 ; v5(77.75,99.11) 77.44,98.78 ; v1(81.31,95.99) v1(80.67,95.4) ; v1(78.42,100.68) v1(77.83,100.61) ; v5(76.25,77.16) 76.17,76.7
  L11_GND w0.127: 132.4,16.55 J16.1 ; J16.1 132.4,14.94 ; J16.1 134.01,14.94 ; J16.1 134.01,16.55 ; J15.1 18.48,5.65 ; J15.1 16.87,5.65 ; J15.1 18.48,4.04 ; J15.1 16.87,4.04 ; 130.92,100.01 J17.1 ; J17.1 132.53,98.4 ; J17.1 130.92,98.4 ; J17.1 132.53,100.01
  L11_GND w0.381: J6.23 27.23,116.66 ; J6.23 24.66,116.66 ; J6.23 27.23,112.98 ; J6.23 24.66,112.98 ; 124.45,106.46 J10.SH2 ; J10.SH2 127.14,109.15 ; J10.SH2 127.14,106.46 ; J10.SH2 124.45,109.15 ; J12.2 19.26,111.08 ; J12.2 19.26,108.21 ; J12.2 14.09,108.21 ; J12.2 14.09,111.08 ; U46.19 71.29,110.65 ; U46.19 71.29,107.39 ; U46.19 68.02,107.39 ; U46.19 68.02,110.65 ; 87.33,107.39 U44.19 ; U44.19 90.59,110.65 ; U44.19 87.33,110.65 ; U44.19 90.59,107.39 ; J5.23 65.27,112.65 ; J5.23 65.27,110.31 ; J5.23 62.93,112.65 ; J5.23 62.93,110.31 ; 106.88,106.46 J10.SH1 ; J10.SH1 109.56,106.46 ; J10.SH1 109.56,109.15 ; J10.SH1 106.88,109.15 ; 63.53,115.21 J5.22 ; J5.22 65.87,117.55 ; J5.22 65.87,115.21 ; J5.22 63.53,117.55 ; 25.04,109.74 J6.24 ; J6.24 26.85,106.33 ; J6.24 26.85,109.74 ; J6.24 25.04,106.33 ; U46.7 76.88,104.86 ; U46.7 75.57,106.17 ; U46.7 75.57,104.86 ; U46.7 76.88,106.17 ; J20.2 52.08,72.38 ; J20.2 52.08,74.17 ; J20.2 50.29,72.38 ; J20.2 50.29,74.17 ; 48.43,112.65 J5.20 ; J5.20 48.43,110.31 ; J5.20 50.77,110.31 ; J5.20 50.77,112.65 ; U46.13 73.38,104.47 ; U46.13 72.07,104.47 ; U46.13 72.07,103.16 ; U46.13 73.38,103.16 ; U46.16 76.88,102.97 ; U46.16 75.57,102.97 ; U46.16 75.57,101.66 ; U46.16 76.88,101.66 ; 47.83,115.21 J5.21 ; J5.21 50.17,115.21 ; J5.21 50.17,117.55 ; J5.21 47.83,117.55 ; U46.4 73.65,106.09 ; U46.4 73.65,107.94 ; U46.4 71.8,107.94 ; U46.22 84.43,110.65 ; U46.22 81.16,107.39 ; U46.22 81.16,110.65 ; U46.22 84.43,107.39 ; J6.22 43.73,116.66 ; J6.22 41.16,112.98 ; J6.22 43.73,112.98 ; J6.22 41.16,116.66 ; J6.21 43.35,109.74 ; J6.21 41.54,106.33 ; J6.21 43.35,106.33 ; J6.21 41.54,109.74 ; U44.22 103.73,107.39 ; U44.22 100.47,110.65 ; U44.22 100.47,107.39 ; U44.22 103.73,110.65
  L12_SIG w0.127: 130.88,100.05 J17.1 ; J17.1 132.57,98.36 ; J17.1 132.57,100.05 ; J17.1 130.88,98.36 ; J15.1 18.52,5.69 ; J15.1 18.52,4 ; J15.1 16.83,5.69 ; J15.1 16.83,4
  L12_SIG w0.203: v1(29.99,24.79) 29.99,25.14 ; U46.21 80.64,103.15
  L12_SIG w0.254: v9(130.51,91.74) v9(130.51,92.34) ; v9(69.6,8.23) v9(69,8.23) v9(68.4,8.23) ; v9(131.11,91.74) v9(131.71,91.74)
  L12_SIG w0.381: 63.59,115.28 J5.22 ; J5.22 65.8,115.28 ; J5.22 65.8,117.49 ; J5.22 63.59,117.49 ; J6.21 43.38,109.78 ; J6.21 41.5,109.78 ; J6.21 43.38,106.3 ; 100.53,107.46 U44.22 ; U44.22 100.53,110.58 ; U44.22 103.66,110.58 ; U44.22 103.66,107.46 ; 94.83,104.82 U44.7 96.22,104.82 ; 26.79,11.81 J2.9 ; J2.9 28.88,13.9 ; J2.9 28.88,11.81 ; J2.9 26.79,13.9 ; 87.39,110.58 U44.19 ; U44.19 87.39,107.46 ; U44.19 90.52,110.58 ; U44.19 90.52,107.46 ; J12.2 19.15,108.32 ; J12.2 14.21,108.32 ; J12.2 19.15,110.97 ; J12.2 14.21,110.97 ; 62.99,112.59 J5.23 ; J5.23 65.2,112.59 ; J5.23 62.99,110.38 ; J5.23 65.2,110.38 ; J6.22 43.61,113.1 ; J6.22 43.61,116.54 ; J6.22 41.27,116.54 ; J6.22 41.27,113.1 ; 106.94,106.53 J10.SH1 ; J10.SH1 109.5,109.08 ; J10.SH1 106.94,109.08 ; J10.SH1 109.5,106.53 ; U46.19 71.22,110.58 ; U46.19 68.09,107.46 ; U46.19 71.22,107.46 ; U46.19 68.09,110.58 ; 138.83,60.63 v6(138.58,60.17) 138.96,60.17 ; 24.77,116.54 J6.23 ; J6.23 27.11,116.54 ; J6.23 27.11,113.1 ; J6.23 24.77,113.1 ; v6(138.58,37.66) 139.04,38.15 139.01,37.69 v6(138.58,37.66) ; v6(138.58,37.66) 139.06,37.33 139.04,35.5 v6(138.58,35.17) ; U46.7 76.92,104.82 ; U46.7 75.53,106.21 ; U46.7 76.92,106.21 ; U46.7 75.53,104.82 ; 108.25,87.04 108.25,86.93 109.05,86.13 v6(109.05,86.05) ; 48.49,110.38 J5.20 ; J5.20 50.7,110.38 ; J5.20 50.7,112.59 ; J5.20 48.49,112.59 ; 91.33,103.12 U44.13 ; U44.13 92.72,104.51 ; U44.13 92.72,103.12 ; U44.13 91.33,104.51 ; U46.4 73.58,107.88 ; U46.4 73.58,106.16 ; U46.4 71.87,107.88 ; U46.13 73.42,104.51 ; U46.13 72.03,104.51 ; U46.13 73.42,103.12 ; U46.13 72.03,103.12 ; J6.24 26.88,106.3 ; J6.24 25,106.3 ; J6.24 25,109.78 ; J6.24 26.88,109.78 ; U46.20 71.22,101.78 ; U46.20 71.22,104.9 ; U46.20 68.09,104.9 ; U46.20 68.09,101.78 ; 91.17,107.88 U44.4 ; U44.4 92.88,107.88 ; U44.4 92.88,106.16 ; 47.89,117.49 J5.21 ; J5.21 47.89,115.28 ; J5.21 50.1,115.28 ; J5.21 50.1,117.49 ; U46.22 84.36,107.46 ; U46.22 81.23,107.46 ; U46.22 84.36,110.58 ; U46.22 81.23,110.58 ; v5(31.46,88.91) 31.46,88.03 v6(31.45,88.03) ; U44.20 90.52,104.9 ; U44.20 90.52,101.78 ; U44.20 87.39,104.9 ; U44.20 87.39,101.78 ; 81.23,101.78 U46.21 ; U46.21 84.36,101.78 ; U46.21 81.23,104.9 ; U46.21 84.36,104.9 ; 95.53,103.21 U44.16 94.83,103.01 ; 103.66,104.9 U44.21 102.1,105.46 ; 75.53,103.01 U46.16 ; U46.16 76.92,101.62 ; U46.16 76.92,103.01 ; U46.16 75.53,101.62 ; 45.13,94.03 43.99,92.88 v6(43.97,92.88) ; v6(123.71,1.41) 122.14,1.01 ; 26.79,11.36 J2.10 28.88,11.36 ; v9(60.02,74.12) 59.77,74.12 58.72,73.07 58.72,72.56 58.59,72.44 ; J10.SH2 127.07,106.53 ; J10.SH2 127.07,109.08 ; J10.SH2 124.52,106.53 ; J10.SH2 124.52,109.08